# Altium PCB 一体板.PcbDoc (part 1 of 3)
Units mm, origin at the board's own origin, x right, y up, seen from the top; angles counter-clockwise.
Board outline 89.79 x 81.41 mm, 2 copper layers (Top Layer, Bottom Layer); 139 components, 96 nets, 464 pads, 108 vias.
Unrouted connection lines stored in the file: 2.
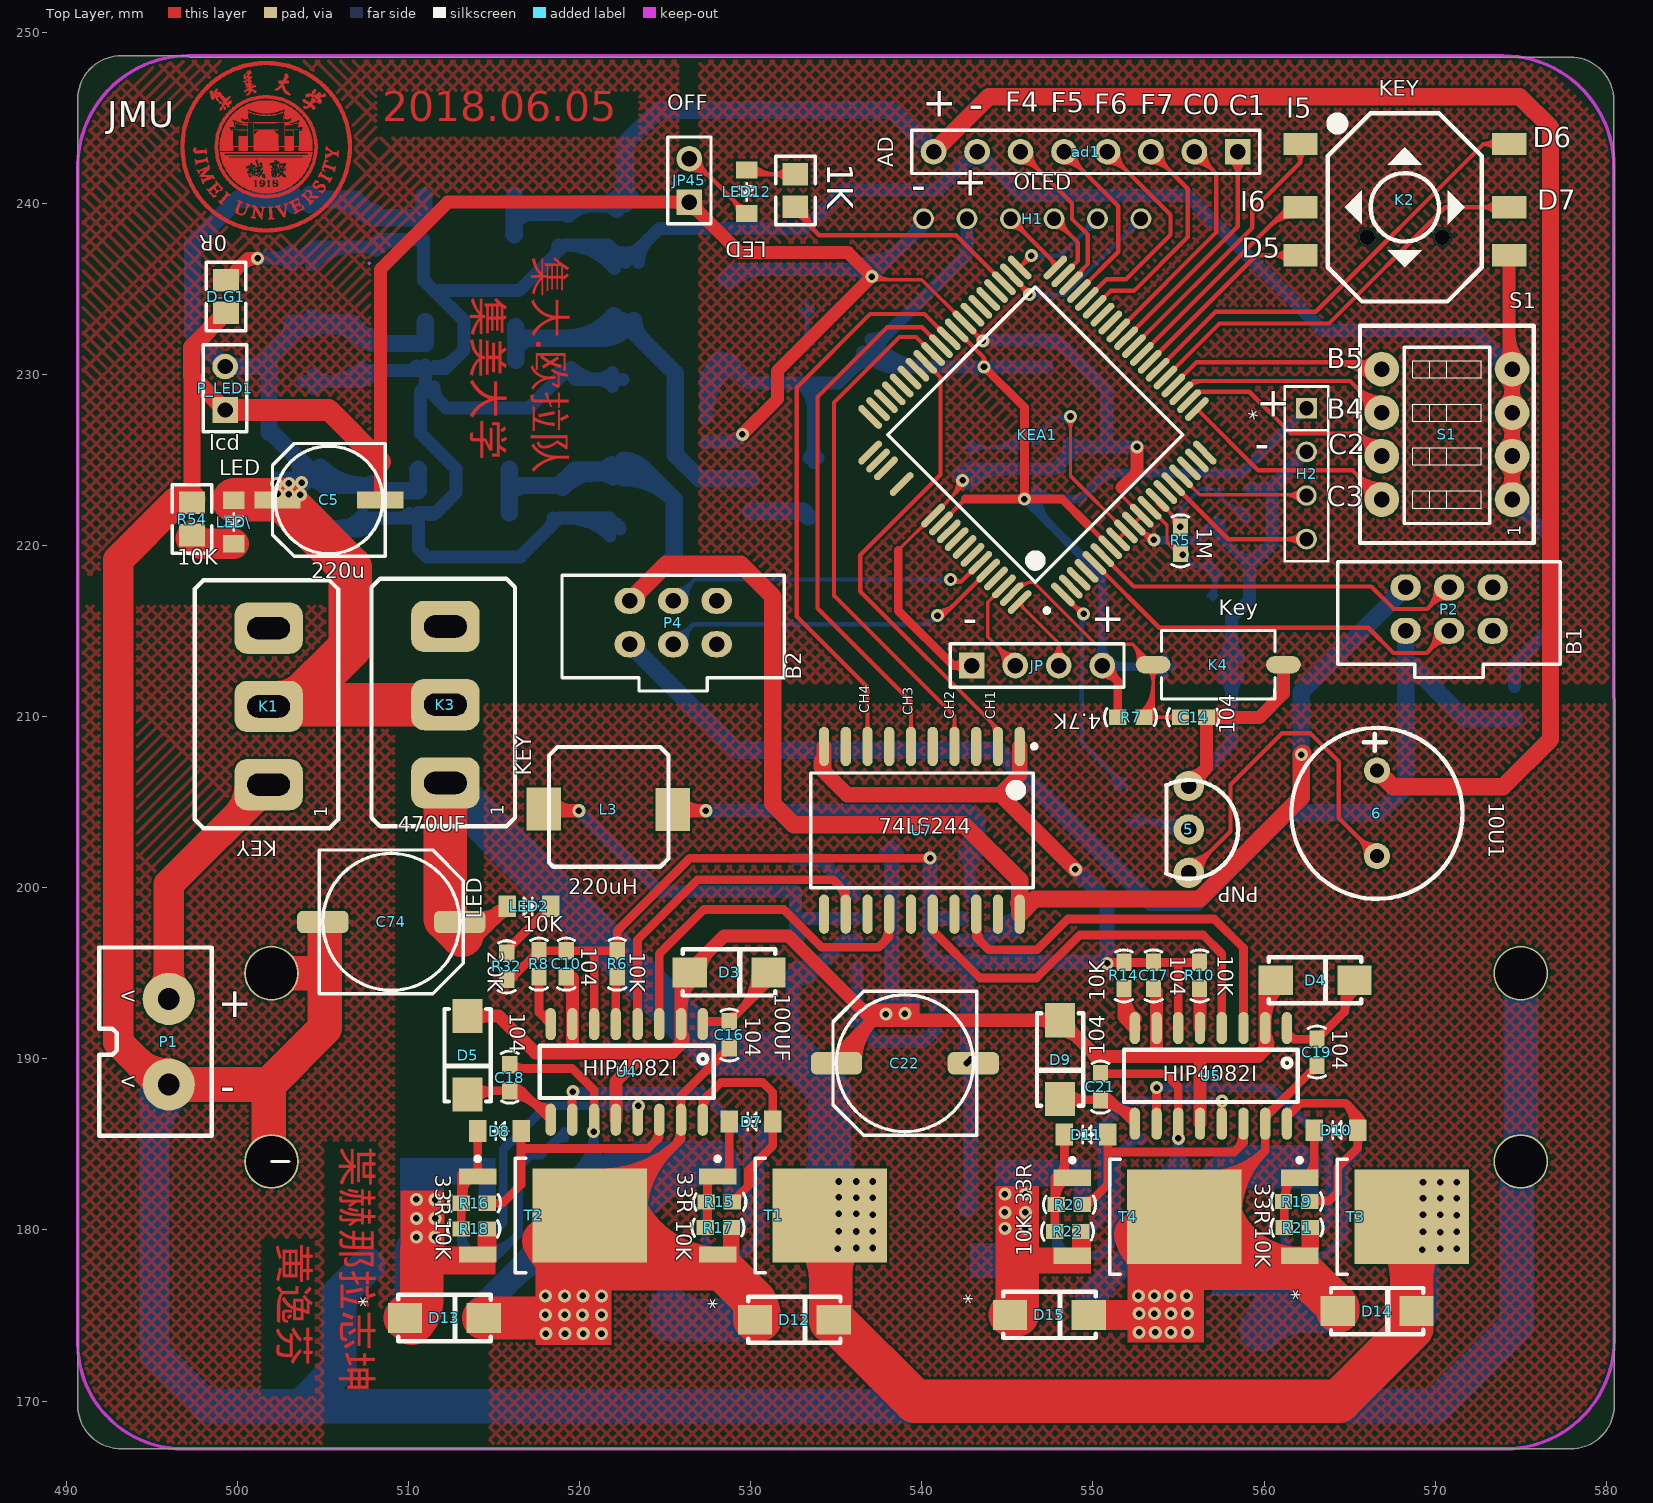
[diagram p0: Top Layer view]
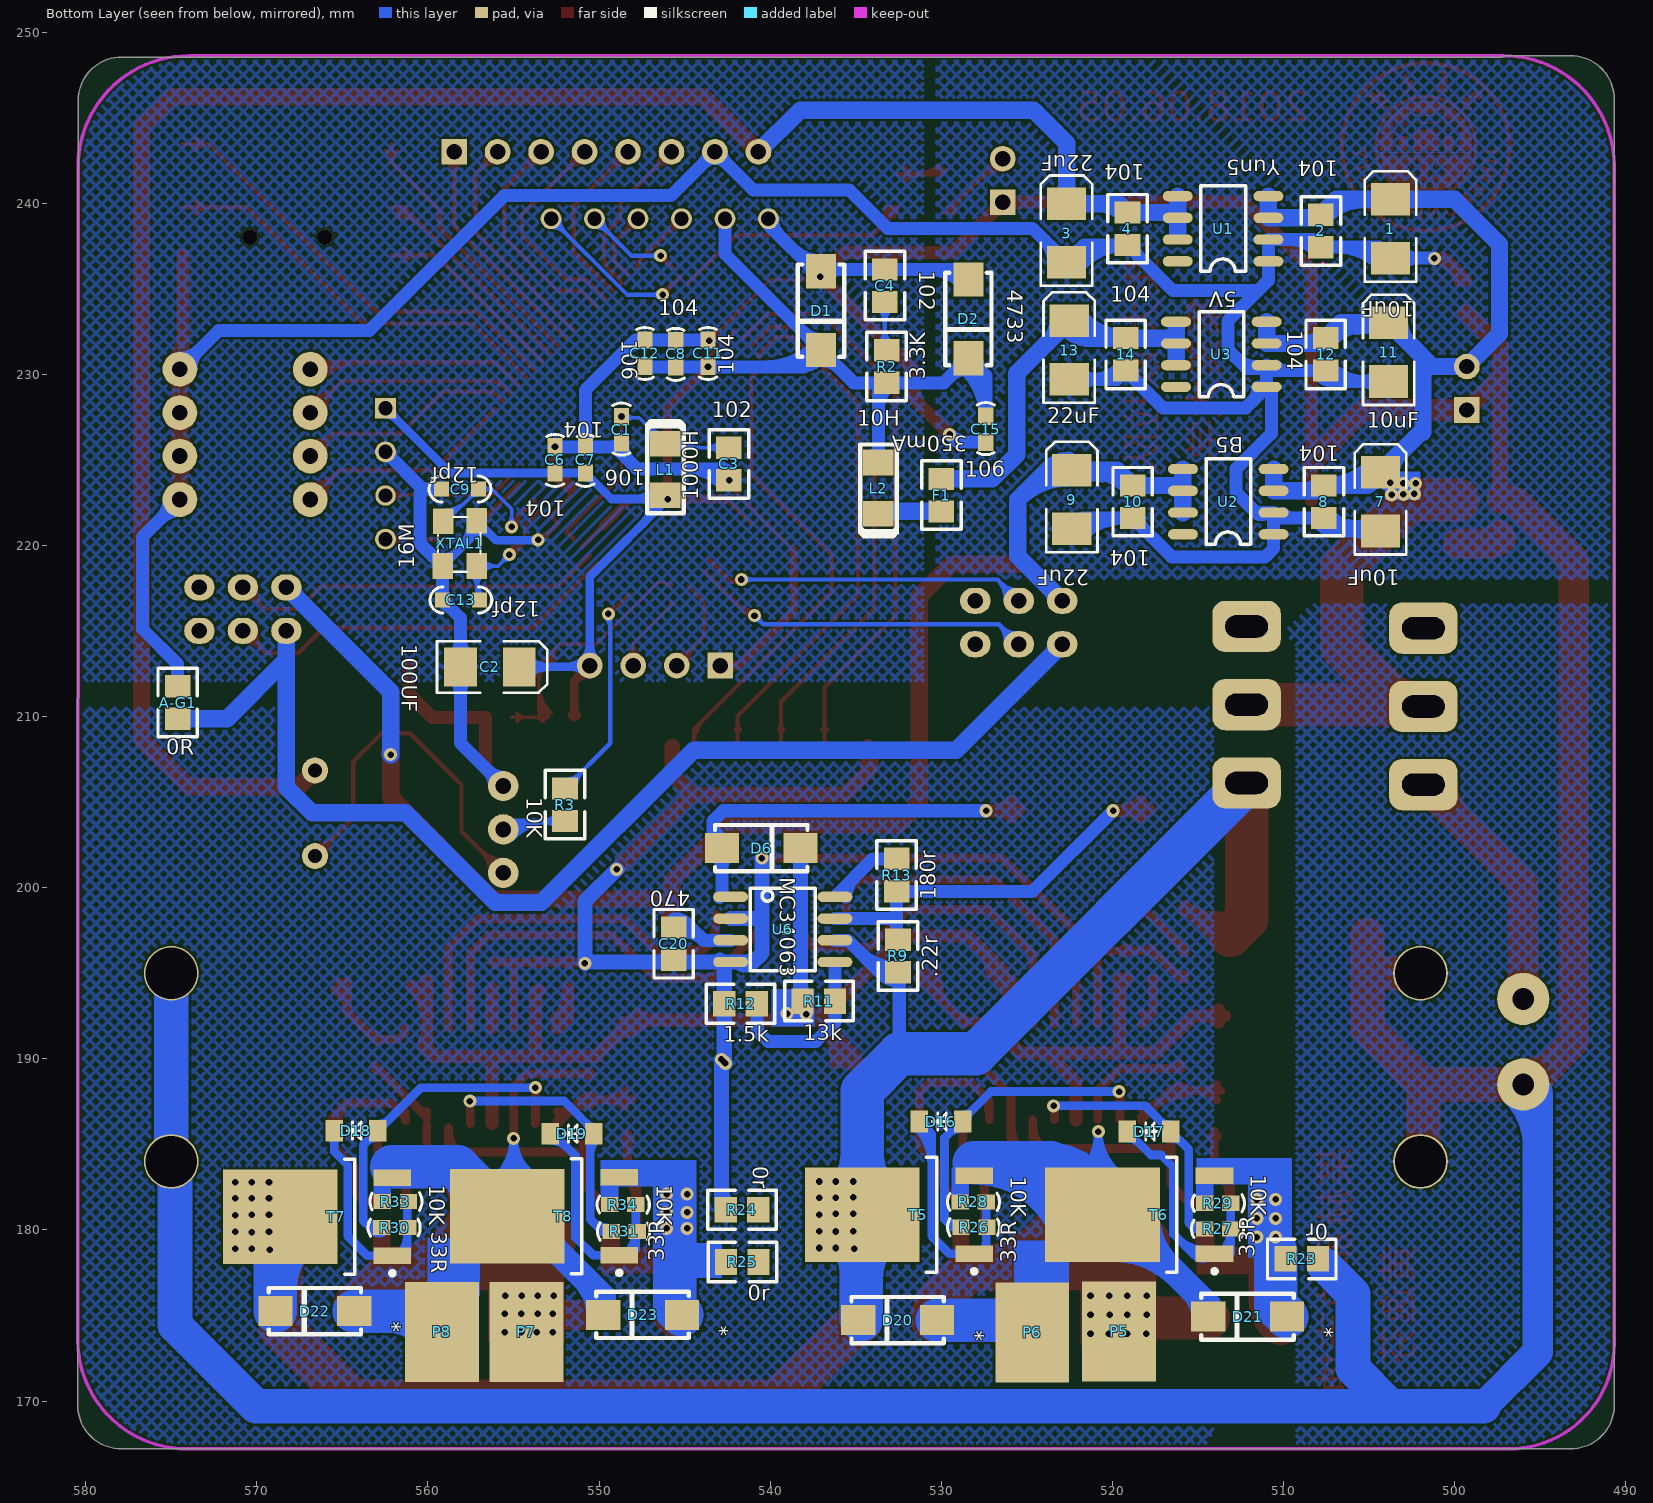
[diagram p1: Bottom Layer view, seen from below]
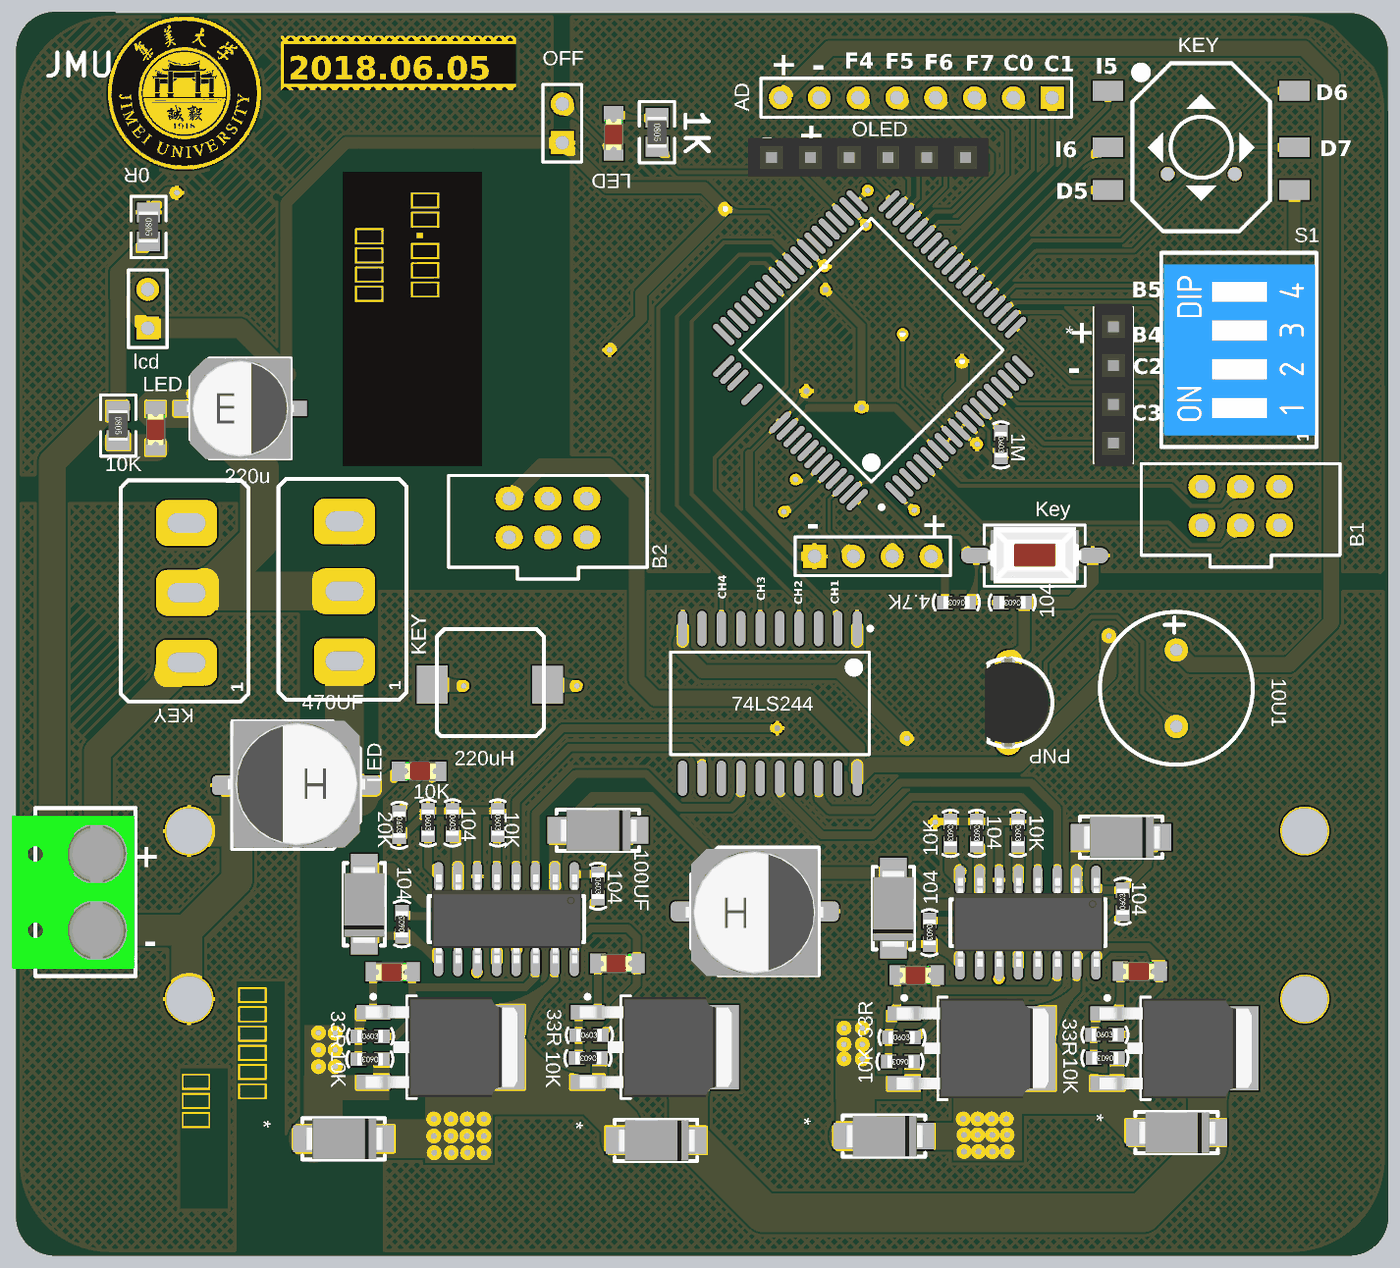
[diagram p4: 3D render of the assembled board from above, using the file's embedded part models]
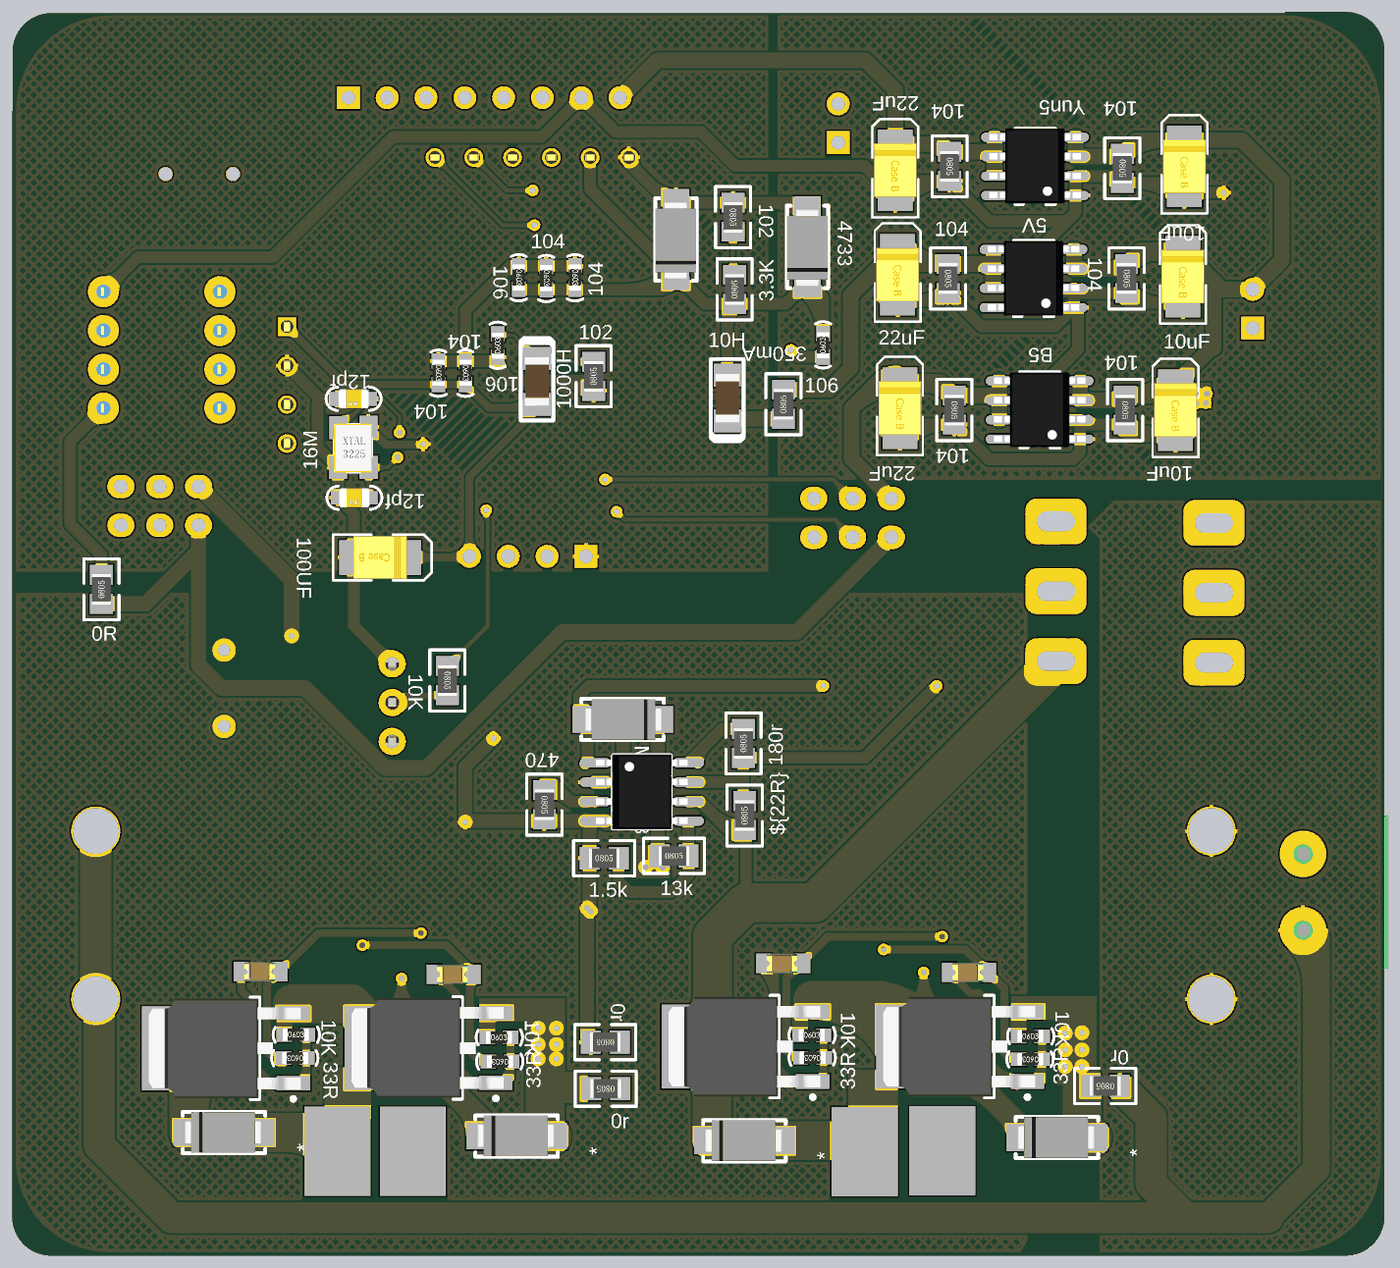
[diagram p5: 3D render of the assembled board from below, using the file's embedded part models]

## Layer stack, top to bottom
Top Layer: signal copper 0.0356
Dielectric: dielectric 0.32, FR-4, Dk 4.8
Bottom Layer: signal copper 0.0356

## Board outline
497.154,248.615 493.217,248.615 ccw(c493.217,246.075) 490.677,246.075 490.677,242.392 490.677,173.353 490.677,169.748 ccw(c493.217,169.748) 493.217,167.208 496.822,167.208 574.068,167.208 577.926,167.208 ccw(c577.926,169.748) 580.466,169.748 580.466,173.711 580.466,242.113 ccw(c580.441,242.113) 580.441,242.138 580.441,245.999 ccw(c577.901,245.999) 577.901,248.539 573.888,248.539 497.23,248.539 cw(c497.23,248.615) 497.154,248.615

## Design rules (kind name [scope] priority, off if disabled: settings)
Clearance [All] p1: gap=0.127
ComponentClearance [All] p1: gap=0 collisioncheckmode=3 verticalgap=0 showdistances=FALSE
PolygonConnect [All] p1: connectstyle=Relief reliefconductorwidth=0.254 reliefentries=4 polygonreliefangle="90 Angle"
RoutingVias [All] p1: holewidth=0.711 width=1.27 viastyle="Through Hole" minholewidth=0.711 minwidth=1.27 maxholewidth=0.711 maxwidth=1.27
SilkscreenOverComponentPads [All] p1: minsilkscreentomaskgap=0.254
SolderMaskExpansion [All] p1: expansion=0.102
Width Width_2 [All] p1: maxlimit=2.54 minlimit=0.203 preferedwidth=0.254
Width Width_1 [InNet('PGND1')] p2: maxlimit=2.54 minlimit=1.524 preferedwidth=2.032
26 further rules are at their usual default settings.

## Components (designator, comment, footprint, x,y, rotation, side; value= is the part's Value field where it differs from the comment)
1 "10uF" "pol cap(10uF)" 503.758,238.506 r90 bottom
1K "1K" 0805#1 532.613,240.741 r270 top (schematic designator R4)
2 "104" 0805#1 507.822,238.379 r270 bottom
3 "22uF" "pol cap(10uF)" 522.681,238.252 r90 bottom
4 "104" 0805#1 519.125,238.506 r270 bottom
5 "PNP" PNP 555.6,203.403 r270 top
6 "10U1" Buzzer 566.598,204.343 r270 top
7 "10uF" "pol cap(10uF)" 504.342,222.555 r90 bottom
8 "104" 0805#1 507.644,222.555 r270 bottom
9 "22uF" "pol cap(10uF)" 522.376,222.682 r90 bottom
10 "104" 0805#1 518.82,222.555 r270 bottom
11 "10uF" "pol cap(10uF)" 503.86,231.292 r90 bottom
12 "104" 0805#1 507.543,231.165 r270 bottom
13 "22uF" "pol cap(10uF)" 522.529,231.419 r90 bottom
14 "104" 0805#1 519.227,231.165 r270 bottom
A-G1 "0R" 0805#1 574.624,210.82 r90 bottom
ad1 "AD" HDR1X8 558.47,243.002 r180 top
C1 "106" 0603 548.691,226.771 r90 bottom
C2 "100UF" "pol cap(10uF)" 556.387,212.903 r180 bottom
C3 "102" 0805#1 542.417,224.765 r90 bottom
C4 "102" 0805#1 533.298,235.179 r270 bottom
C5 "220u" ED6.3 505.358,222.656 r0 top
C6 "104" 0603 552.577,224.993 r270 bottom
C7 "104" 0603 550.799,224.993 r270 bottom
C8 "104" 0603 545.516,231.191 r270 bottom
C9 "12pf" 0805-0C 557.047,223.291 r0 bottom
C10 "104" 0603 519.227,195.555 r270 top
C11 "104" 0603 543.636,231.242 r270 bottom
C12 "106" 0603 547.319,231.242 r270 bottom
C13 "12pf" 0805-0C 556.997,216.814 r0 bottom
C14 "104" 0603 555.879,209.956 r180 top
C15 "106" 0603 527.406,226.797 r90 bottom
C16 "104" 0603 528.752,191.414 r270 top
C17 "104" 0603 553.542,194.869 r270 top
C18 "104" 0603 515.925,188.9 r90 top
C19 "104" 0603 563.093,190.373 r90 top
C20 "470" 0805#1 545.643,196.723 r270 bottom
C21 "104" 0603 550.443,188.366 r270 top
C22 "100UF" ED8 539.013,189.738 r0 top
C74 "470UF" ED8 509,198 r180 top
D1 "4733" 二极管 537.032,233.604 r270 bottom
D2 "4733" 二极管 528.422,233.121 r270 bottom
D3 "SS14" 二极管 528.853,195.047 r0 top
D4 "SS14" 二极管 563.093,194.589 r0 top
D5 "SS14" 二极管 513.461,190.094 r270 top
D6 "D6" 二极管 540.41,202.311 r180 bottom
D7 "T5" LED(0805) 530.022,186.334 r180 top
D8 "T7" LED(0805) 515.315,185.776 r180 top
D9 "SS14" 二极管 548.081,189.84 r270 top
D10 "T1" LED(0805) 564.21,185.826 r180 top
D11 "T3" LED(0805) 549.605,185.572 r180 top
D12 "*" 二极管 532.663,174.752 r0 top
D13 "*" 二极管 512.216,174.854 r0 top
D14 "*" 二极管 566.725,175.26 r0 top
D15 "*" 二极管 547.573,175.031 r0 top
D16 "T6" LED(0805) 530.022,186.334 r0 bottom
D17 "T8" LED(0805) 517.855,185.75 r0 bottom
D18 "T2" LED(0805) 564.21,185.801 r0 bottom
D19 "T4" LED(0805) 551.586,185.623 r0 bottom
D20 "*" 二极管 532.663,174.727 r0 bottom
D21 "*" 二极管 512.216,174.93 r0 bottom
D22 "*" 二极管 566.725,175.26 r0 bottom
D23 "*" 二极管 547.573,175.031 r0 bottom
D-G1 "0R" 0805#1 499.339,234.544 r270 top
F1 "350mA" 0805#1 529.996,222.936 r90 bottom
H1 "OLED" S0P6 540.106,239.09 r0 top
H2 "Bluetooth" S0P4 562.483,228.016 r270 top
JMU "JMU" JMU_logo（2） 501.67,243.287 r0 top (schematic designator JMU?)
JP "X" HDR1X4 542.925,212.979 r0 top
JP45 "OFF" HDR1X2 526.415,240.055 r90 top
K1 "KEY" 钮子开关（大） 501.828,210.591 r90 top
K2 "KEY" 五向按键（大） 568.223,240.208 r0 top
K3 "KEY" 钮子开关（大） 512.166,210.693 r90 top
K4 "Key" K_Press 557.327,213.03 r0 top
KEA1 "*" LQFP80 546.76,226.466 r135 top locked
L1 "1000H" 1206C 546.125,225.908 r270 bottom
L2 "10H" 1206C 533.679,221.869 r90 bottom
L3 "220uH" 电感（220uh） 521.716,204.724 r0 top
LED2 "LED" LED(0805) 517.042,198.907 r0 top
LED12 "LED" LED(0805) 529.768,240.665 r270 top
LED\ "LED" LED(0805) 499.796,221.361 r270 top
P1 "P0_1" 接线端子 496,191 r270 top
P2 "B1" 编码器1 570.814,216.281 r180 top
P4 "B2" 编码器1 525.475,215.494 r180 top
P5 "POWER_PIN" POWER_PIN#1 519.608,174.066 r180 bottom
P6 "POWER_PIN" POWER_PIN#1 524.688,174.015 r0 bottom
P7 "POWER_PIN" POWER_PIN#2 554.253,174.041 r0 top
P8 "POWER_PIN" POWER_PIN#2 559.181,174.041 r0 top
P_LED1 "lcd" HDR1X2 499.288,227.914 r90 top
R2 "3.3K" 0805#1 533.197,230.454 r90 bottom
R3 "10K" 0805#2 551.866,204.851 r270 bottom
R5 "1M" 0603-r 555.117,220.294 r270 top
R6 "10K" 0603 522.199,195.555 r270 top
R7 "4.7K" 0603-r 552.221,209.956 r180 top
R8 "10K" 0603 517.627,195.555 r270 top
R9 ".22r" 0805#1 532.536,196.012 r90 bottom
R10 "10K" 0603 556.235,194.869 r270 top
R11 "13k" 0805#1 537.159,193.37 r180 bottom
R12 "1.5k" 0805#1 541.731,193.218 r180 bottom
R13 "180r" 0805#1 532.613,200.736 r90 bottom
R14 "10K" 0603 551.815,194.869 r270 top
R15 "33R" 0603 528.168,181.635 r0 top
R16 "33R" 0603 513.842,181.559 r0 top
R17 "10K" 0603 528.117,180.137 r180 top
R18 "10K" 0603 513.842,180.061 r180 top
R19 "33R" 0603 561.899,181.661 r0 top
R20 "33R" 0603 548.615,181.483 r0 top
R21 "10K" 0603 561.95,180.137 r180 top
R22 "10K" 0603 548.538,179.908 r180 top
R23 "0r" 0805#1 508.94,178.308 r0 bottom
R24 "0r" 0805#1 541.655,181.178 r0 bottom
R25 "0r" 0805#1 541.63,178.13 r0 bottom
R26 "33R" 0603 528.091,180.162 r0 bottom
R27 "33R" 0603 513.842,180.061 r0 bottom
R28 "10K" 0603 528.142,181.635 r180 bottom
R29 "10K" 0603 513.842,181.559 r180 bottom
R30 "33R" 0603 561.95,180.137 r0 bottom
R31 "33R" 0603 548.538,179.908 r0 bottom
R32 "20K" 0603 515.747,195.402 r270 top
R33 "10K" 0603 561.899,181.661 r180 bottom
R34 "10K" 0603 548.615,181.483 r180 bottom
R54 "10K" 0805#1 497.357,221.539 r270 top
S1 "S1" 拨码开关*4 570.687,226.492 r180 top
T1 "IRLR7843" IRLR7843(MOS) 531.343,180.848 r0 top
T2 "IRLR7843" IRLR7843(MOS) 517.322,180.848 r0 top
T3 "IRLR7843" IRLR7843(MOS) 565.353,180.772 r0 top
T4 "IRLR7843" IRLR7843(MOS) 552.069,180.772 r0 top
T5 "IRLR7843" IRLR7843(MOS) 531.356,180.886 r0 bottom
T6 "IRLR7843" IRLR7843(MOS) 517.31,180.886 r0 bottom
T7 "IRLR7843" IRLR7843(MOS) 565.353,180.772 r0 bottom
T8 "IRLR7843" IRLR7843(MOS) 552.094,180.797 r0 bottom
U1 "Yun5" SOIC-8 513.537,238.506 r0 bottom
U2 "B5" SOIC-8 513.232,222.555 r0 bottom
U3 "5V" SOIC-8 513.639,231.165 r0 bottom
U4 "HIP4082I" HIP4082I 522.757,189.23 r270 top
U5 "HIP4082I" HIP4082I 556.895,189.001 r270 top
U6 "MC34063" MA34063 539.14,197.688 r180 bottom
U7 "74LS244" 74LS244D 540.004,203.352 r270 top
XTAL1 "16M" XTAL-3225 558.14,220.116 r180 bottom
